# KiCad board CamTracker.kicad_pcb (continued)
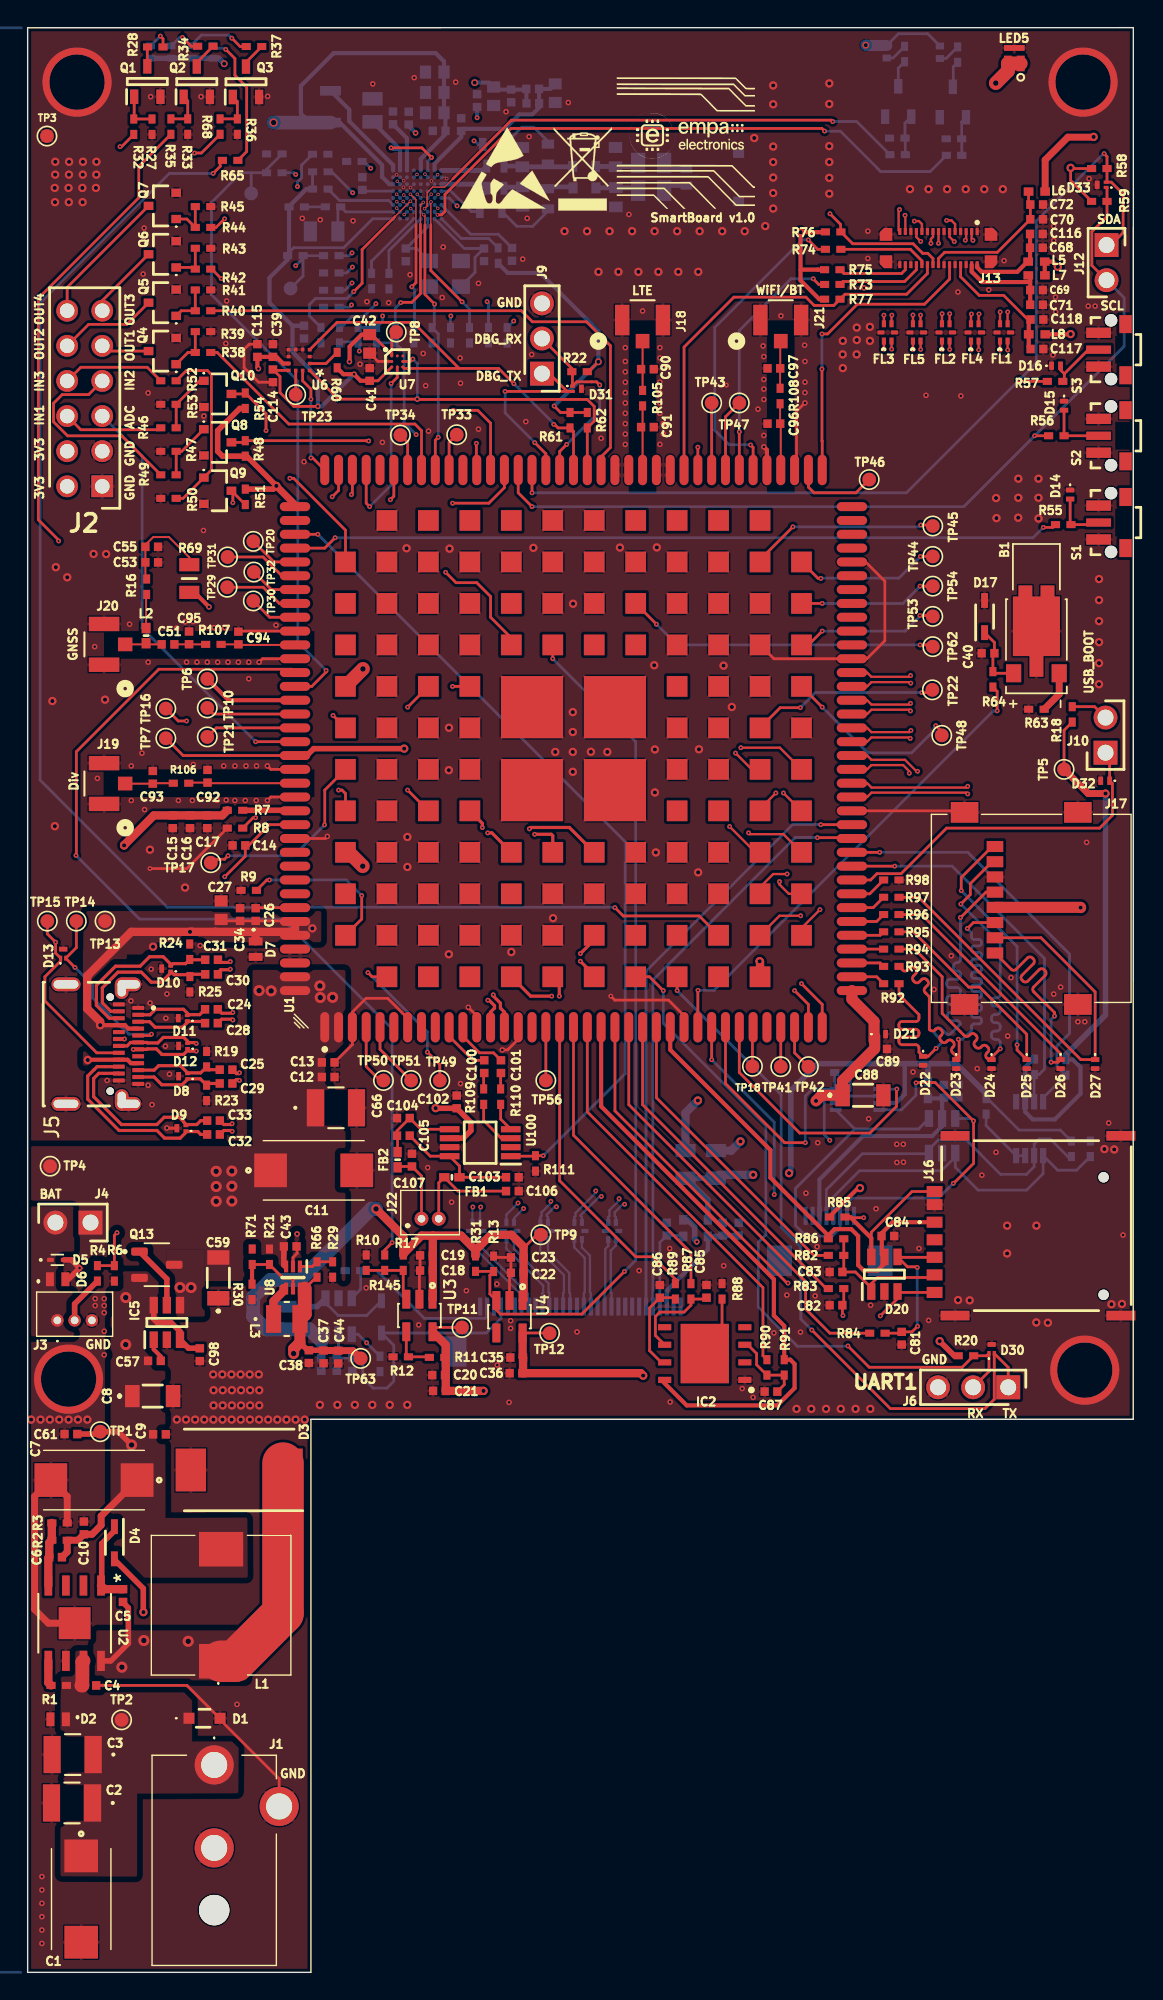
[diagram p0: board, top side]
## Routing (per net, layer and track width the routed paths; a pad name or vN(x,y) marks a point on that pad's centre or on a via; arc(x,y) is an arc through that point) (continued)
VBAT: length 172.3
  Top w0.4: C43.1 18.54,51.16 18.65,51.05
  Top w0.6: v2(6.98,81.5) 6.98,81.52 9.13,83.67 C15.1 C16.1 C17.1 14.08,83.67 14.45,84.04
  PWR w0.4: v7(14.22,138.03) 14.22,138.02
  PWR w0.6: 15.38,136.88 14.22,138.03 v7(14.22,138.03)
  PWR w0.8: 7.56,102.48 7.56,102.77 J2.2 J2.4 ; 7.56,102.48 7.56,129.06 17.88,139.38 v7(60.65,139.38) ; 7.56,102.48 3.3,98.23 3.3,85.16 6.96,81.5 v2(6.98,81.5) 6.95,81.5 0.83,75.38 0.83,58.69 4.55,54.97 J4.1
  Bottom w0.2: LED7.2 63.02,140.2 65.13,140.2 LED6.2
  Bottom w0.4: LED1.2 LED2.2 LED3.2 LED4.2 13.83,138.43 v7(14.22,138.03)
  Bottom w0.8: LED7.2 60.73,139.35 60.7,139.38 v7(60.65,139.38)
  vias: v6(11.03,49.53) v6(11.83,49.53) v6(13.64,57.93) v6(13.64,56.83) v6(13.64,55.76) v6(14.78,57.95) v6(14.78,56.85) v6(14.78,55.78) v6(16.75,71) v6(17.62,70.98) v6(21.15,71.34) v6(21.17,70.5) v6(22.07,70.51)
VCC_GNSS: length 7.1
  Top w0.143: R69.2 11.7,102.33 10.22,103.8 9.09,103.8 8.52,103.23 C55.1 C53.1 8.52,100.86 R16.2
VDD_2V8: length 85.9
  Top w0.2: U1.129 11.25,88 TP7.1
  Top w0.3: L7.2 73.6,122.74 L5.2 74.17,123.72 v2(74.55,123.34)
  Top w0.4: v2(27.25,88.5) 20.7,88.5 20.2,88 U1.129
  PWR w0.4: v2(27.25,88.5) 33.76,88.5 52.36,107.1 65.22,107.1 73.36,115.24 73.36,122.15 v2(74.55,123.34)
/Antennas/ANT_DRX: length 7.7
  Top w0.143: R106.2 11.7,86.04 C92.1 13.06,86 U1.131
/Antennas/ANT_DRX_C: length 3.5
  Top w0.143: R106.1 9.09,86 C93.1 7.07,85.97 J19.1
/Antennas/ANT_GNSS: length 5.6
  Top w0.143: 13.75,96.04 C94.1 15.29,96 U1.121
/Antennas/ANT_GNSS_C0: length 2
  Top w0.143: C51.1 12.63,96.04
/Antennas/ANT_GNSS_C1: length 2.7
  Top w0.143: 7.07,96.03 J20.1 C51.2 ; 9.88,96.04 9.84,96
/Antennas/ANT_MAIN: length 5.1
  Top w0.143: R105.2 44.5,111.86 C91.1 44.5,111.64 U1.87
  Top w0.165: 44.5,111.71 44.54,111.75 ; 44.54,113.18 44.65,113.29 ; 44.39,108.76 U1.87
/Antennas/ANT_MAIN_C: length 3.9
  Top w0.143: J18.1 44.5,116.05 C90.1 44.5,115.83 R105.1
  Top w0.165: 44.5,115.9 44.54,115.94 ; 44.39,117.86 J18.1 44.54,117.93
/Antennas/ANT_WiFi: length 4.8
  Top w0.143: U1.77 54.5,111.96 C96.1 54.46,112.09 54.45,112.1 R108.2
/Antennas/ANT_WiFi_C0: length 3.6
  Top w0.143: 54.38,114.39 54.49,114.5 54.48,114.51 ; J21.1 54.46,117.93 C97.1 54.45,115.99 R108.1
/Camera/CAM0_I2C_SCL: length 32
  Top w0.2: J13.22 65.51,123.95 65.14,124.32 64.77,124.32 64.08,125.01 59.71,125.01 R76.1 58.83,125.89 58.83,126.41 v3(58.06,127.18) ; v3(48.5,110.3) U1.83
  Signal w0.2: v3(48.5,110.3) 48.49,110.31 48.49,116.01 58.06,125.58 v3(58.06,127.18)
/Camera/CAM0_I2C_SDA: length 29.8
  Top w0.2: U1.84 47.5,117.54 51.11,121.15 56.32,121.15 56.92,120.55 58.33,120.55 R77.1 59.14,121.36 63.61,121.36 65.11,122.86 J13.21
/Camera/CLK_N: length 7.8
  Top w0.17: v3(70.38,120.08) 70.37,120.07 70.37,119.22 ; J13.3 67.91,125.33 v3(67.85,125.27)
  Signal w0.17: v3(70.38,120.08) 70.47,120.17 70.47,121.45 67.94,123.98 67.94,125.19 v3(67.85,125.27)
/Camera/CLK_P: length 7.9
  Top w0.17: v3(70.93,120.08) 70.91,120.07 FL1.3 ; v3(68.4,125.26) 68.4,125.29 68.31,125.38 J13.2
  Signal w0.17: v3(68.4,125.26) 68.38,125.26 68.31,125.19 68.31,124.13 70.84,121.61 70.84,120.17 v3(70.93,120.08)
/Camera/CSI0_CLK_N: length 52.2
  Top w0.17: v3(70.38,117.33) 70.37,117.34 70.37,117.97 ; v3(57.34,76.85) 56,75.52 U1.157
  Signal w0.17: v3(70.38,117.33) 70.46,117.24 70.46,117.14 70.47,117.14 70.47,114.34 arc(70.39,114.17) 70.23,114.1 69.98,114.1 arc(69.81,114.03) 69.74,113.86 69.74,113.74 arc(69.81,113.57) 69.98,113.5 70.23,113.5 arc(70.39,113.43) 70.47,113.26 70.47,112.12 arc(70.3,112.05) 70.13,112.12 69.95,112.3 arc(69.78,112.37) 69.61,112.3 69.52,112.21 arc(69.45,112.04) 69.52,111.87 69.7,111.7 arc(69.77,111.53) 69.7,111.36 69.62,111.27 arc(69.45,111.2) 69.28,111.27 69.1,111.45 arc(68.93,111.52) 68.76,111.45 68.68,111.36 arc(68.61,111.19) 68.68,111.02 68.85,110.85 arc(68.92,110.68) 68.85,110.51 68.49,110.14 59.07,100.72 59.07,78.46 57.46,76.85 v3(57.34,76.85)
/Camera/CSI0_CLK_P: length 52.6
  Top w0.17: 70.91,117.97 70.91,117.34 v3(70.93,117.33) ; v3(55.94,76.41) 54.41,76.41 U1.196 ; 53,74.84 53.26,74.58
  Signal w0.17: v3(55.94,76.41) 55.96,76.39 57.53,76.39 59.44,78.3 59.44,100.57 70.84,111.97 70.84,117.24 v3(70.93,117.33)
/Camera/CSI0_LN0_N: length 53.1
  Top w0.17: U1.158 55.08,78 54.41,78.68 v3(54.41,78.88) ; v3(66.17,117.37) 66.17,117.38 66.17,117.97
  Signal w0.17: v3(54.41,78.88) 54.41,81.88 52.55,83.74 52.55,100.18 59.15,106.78 59.29,106.92 arc(59.35,107.07) 59.29,107.22 59.13,107.38 arc(58.96,107.8) 59.13,108.21 59.27,108.35 arc(59.69,108.52) 60.1,108.35 60.26,108.19 arc(60.41,108.13) 60.56,108.19 60.7,108.33 arc(60.77,108.49) 60.7,108.64 60.55,108.8 arc(60.37,109.21) 60.55,109.63 60.69,109.77 arc(61.1,109.94) 61.51,109.77 61.67,109.61 arc(61.83,109.54) 61.98,109.61 62.12,109.75 arc(62.18,109.9) 62.12,110.05 61.96,110.21 arc(61.79,110.63) 61.96,111.04 62.1,111.18 arc(62.51,111.35) 62.93,111.18 63.09,111.02 arc(63.24,110.96) 63.39,111.02 63.53,111.16 arc(63.6,111.31) 63.53,111.47 63.37,111.63 arc(63.2,112.04) 63.37,112.45 63.51,112.59 arc(63.93,112.77) 64.34,112.59 64.5,112.44 arc(64.65,112.37) 64.81,112.44 66.27,113.9 66.27,117.28 v3(66.17,117.37)
/Camera/CSI0_LN0_P: length 53.4
  Top w0.17: 66.72,117.97 66.72,117.38 v3(66.72,117.37) ; v3(54.95,79.43) 53.95,79.43 53,78.48 U1.197
  Signal w0.17: v3(54.95,79.43) 54.77,79.61 54.77,82.04 52.92,83.9 52.92,100.02 58.55,105.65 59.55,106.66 arc(59.72,107.07) 59.55,107.49 59.39,107.65 arc(59.33,107.8) 59.39,107.95 59.53,108.09 arc(59.69,108.15) 59.84,108.09 60,107.93 arc(60.41,107.76) 60.83,107.93 60.97,108.07 arc(61.14,108.49) 60.97,108.9 60.81,109.06 arc(60.74,109.21) 60.81,109.36 60.95,109.5 arc(61.1,109.57) 61.25,109.5 61.41,109.35 arc(61.83,109.17) 62.24,109.35 62.38,109.49 arc(62.55,109.9) 62.38,110.31 62.22,110.47 arc(62.16,110.63) 62.22,110.78 62.36,110.92 arc(62.51,110.98) 62.67,110.92 62.83,110.76 arc(63.24,110.59) 63.65,110.76 63.79,110.9 arc(63.97,111.31) 63.79,111.73 63.64,111.89 arc(63.57,112.04) 63.64,112.19 63.78,112.33 arc(63.93,112.4) 64.08,112.33 64.24,112.17 arc(64.65,112) 65.07,112.17 66.64,113.74 66.64,117.28 v3(66.72,117.37)
/Camera/CSI0_LN1_N: length 49.9
  Top w0.17: v3(61.97,117.39) 61.97,117.4 61.97,117.97 ; v3(52.17,82.41) 52.26,82.31 54.69,82.31 U1.159
  Signal w0.17: v3(52.17,82.41) 50.35,82.41 46.48,86.28 46.48,101.46 62.07,117.05 62.07,117.3 v3(61.97,117.39)
/Camera/CSI0_LN1_P: length 50.7
  Top w0.17: 62.52,117.97 62.52,117.4 v3(62.53,117.39) ; v3(50.8,82.86) 50.8,82.86 52.66,81 U1.198
  Signal w0.17: v3(50.8,82.86) 50.71,82.77 50.51,82.77 46.84,86.44 46.84,101.3 58.87,113.33 59.13,113.58 arc(59.3,113.65) 59.46,113.58 59.64,113.41 arc(59.81,113.34) 59.98,113.41 60.07,113.49 arc(60.14,113.66) 60.07,113.83 59.89,114.01 arc(59.82,114.18) 59.89,114.35 59.97,114.43 arc(60.14,114.5) 60.31,114.43 60.49,114.26 arc(60.66,114.19) 60.83,114.26 60.91,114.34 arc(60.98,114.51) 60.91,114.68 60.74,114.86 arc(60.67,115.03) 60.74,115.2 60.82,115.28 arc(60.99,115.35) 61.16,115.28 61.34,115.1 arc(61.51,115.03) 61.68,115.1 61.76,115.19 arc(61.83,115.36) 61.76,115.53 61.59,115.71 arc(61.52,115.88) 61.59,116.04 61.67,116.13 arc(61.84,116.2) 62.01,116.13 62.19,115.95 arc(62.36,115.88) 62.53,115.95 62.61,116.04 arc(62.68,116.21) 62.61,116.38 62.43,116.55 arc(62.36,116.72) 62.43,116.89 62.43,117.3 v3(62.53,117.39)
/Camera/CSI0_LN2_N: length 52.5
  Top w0.17: U1.160 55.98,84 v3(54.69,85.29) ; 68.81,117.97 68.81,117.35 v3(68.82,117.34)
  Signal w0.17: v3(68.82,117.34) 68.73,117.25 68.73,116.92 arc(68.81,116.75) 68.97,116.68 69.39,116.68 arc(69.56,116.61) 69.63,116.44 69.63,116.32 arc(69.56,116.15) 69.39,116.08 68.97,116.08 arc(68.81,116.01) 68.73,115.84 68.73,115.72 arc(68.81,115.55) 68.97,115.48 69.39,115.48 arc(69.56,115.41) 69.63,115.24 69.63,115.12 arc(69.56,114.95) 69.39,114.88 68.97,114.88 arc(68.81,114.81) 68.73,114.64 68.73,113.37 66.72,111.36 arc(66.65,111.2) 66.72,111.05 66.94,110.83 arc(67.11,110.41) 66.94,110 66.8,109.86 arc(66.38,109.69) 65.97,109.86 65.75,110.08 arc(65.6,110.15) 65.44,110.08 65.3,109.94 arc(65.24,109.79) 65.3,109.64 65.52,109.41 arc(65.7,109) 65.52,108.59 65.38,108.45 arc(64.97,108.27) 64.56,108.45 64.33,108.67 arc(64.18,108.73) 64.03,108.67 63.89,108.53 arc(63.83,108.37) 63.89,108.22 64.11,108 arc(64.28,107.59) 64.11,107.17 63.97,107.03 arc(63.56,106.86) 63.14,107.03 62.92,107.25 arc(62.77,107.32) 62.62,107.25 62.47,107.11 arc(62.41,106.96) 62.47,106.81 62.7,106.59 arc(62.87,106.17) 62.7,105.76 62.56,105.62 arc(62.14,105.45) 61.73,105.62 61.51,105.84 arc(61.35,105.9) 61.2,105.84 61.06,105.7 arc(61,105.55) 61.06,105.39 61.28,105.17 arc(61.45,104.76) 61.28,104.34 61.14,104.2 arc(60.73,104.03) 60.31,104.2 60.09,104.43 arc(59.94,104.49) 59.79,104.43 59.65,104.28 arc(59.58,104.13) 59.65,103.98 59.87,103.76 arc(60.04,103.34) 59.87,102.93 59.73,102.79 arc(59.31,102.62) 58.9,102.79 58.68,103.01 arc(58.52,103.07) 58.37,103.01 54.6,99.24 54.6,85.38 v3(54.69,85.29)
/Camera/CSI0_LN2_P: length 49.6
  Top w0.17: v3(68.28,117.34) 68.26,117.35 68.26,117.97 ; U1.199 53,84.14 v3(54.14,85.29)
  Signal w0.17: v3(54.14,85.29) 54.24,85.38 54.24,99.4 57.97,103.13 58.11,103.27 arc(58.52,103.44) 58.94,103.27 59.16,103.05 arc(59.31,102.99) 59.47,103.05 59.61,103.19 arc(59.67,103.34) 59.61,103.5 59.38,103.72 arc(59.21,104.13) 59.38,104.55 59.53,104.69 arc(59.94,104.86) 60.35,104.69 60.58,104.46 arc(60.73,104.4) 60.88,104.46 61.02,104.61 arc(61.08,104.76) 61.02,104.91 60.8,105.13 arc(60.63,105.55) 60.8,105.96 60.94,106.1 arc(61.35,106.27) 61.77,106.1 61.99,105.88 arc(62.14,105.82) 62.29,105.88 62.44,106.02 arc(62.5,106.17) 62.44,106.32 62.21,106.55 arc(62.04,106.96) 62.21,107.37 62.35,107.52 arc(62.77,107.69) 63.18,107.52 63.4,107.29 arc(63.56,107.23) 63.71,107.29 63.85,107.43 arc(63.91,107.59) 63.85,107.74 63.63,107.96 arc(63.46,108.37) 63.63,108.79 63.77,108.93 arc(64.18,109.1) 64.6,108.93 64.82,108.71 arc(64.97,108.64) 65.12,108.71 65.26,108.85 arc(65.33,109) 65.26,109.15 65.04,109.38 arc(64.87,109.79) 65.04,110.2 65.18,110.34 arc(65.6,110.52) 66.01,110.34 66.23,110.12 arc(66.38,110.06) 66.54,110.12 66.68,110.26 arc(66.74,110.41) 66.68,110.57 66.46,110.79 arc(66.28,111.2) 66.46,111.62 68.37,113.53 68.37,117.25 v3(68.28,117.34)
/Camera/CSI0_LN3_N: length 53.6
  Top w0.17: U1.161 54.44,88.56 v3(51.61,88.56) ; v3(64.62,117.37) 64.61,117.38 64.61,117.97
  Signal w0.17: v3(64.62,117.37) 64.53,117.28 64.53,116.13 53.29,104.89 arc(53.22,104.73) 53.29,104.58 53.53,104.34 arc(53.7,103.92) 53.53,103.51 53.39,103.37 arc(52.98,103.2) 52.56,103.37 52.32,103.61 arc(52.17,103.68) 52.01,103.61 51.87,103.47 arc(51.81,103.32) 51.87,103.17 52.12,102.92 arc(52.29,102.51) 52.12,102.1 51.98,101.96 arc(51.56,101.78) 51.15,101.96 50.9,102.2 arc(50.75,102.26) 50.6,102.2 50.46,102.06 arc(50.4,101.91) 50.46,101.75 50.7,101.51 arc(50.87,101.1) 50.7,100.68 50.56,100.54 arc(50.15,100.37) 49.73,100.54 49.49,100.78 arc(49.34,100.85) 49.19,100.78 48.64,100.24 arc(48.71,100.09) 48.86,100.03 49.2,100.03 arc(49.62,99.86) 49.79,99.44 49.79,99.24 arc(49.62,98.83) 49.2,98.66 48.86,98.66 arc(48.71,98.6) 48.64,98.44 48.64,98.24 arc(48.71,98.09) 48.86,98.03 49.2,98.03 arc(49.62,97.86) 49.79,97.44 49.79,97.24 arc(49.62,96.83) 49.2,96.66 48.86,96.66 arc(48.71,96.6) 48.64,96.44 48.64,96.24 arc(48.71,96.09) 48.86,96.03 49.2,96.03 arc(49.62,95.86) 49.79,95.44 49.79,95.24 arc(49.62,94.83) 49.2,94.66 48.86,94.66 arc(48.71,94.6) 48.64,94.44 48.64,94.24 arc(48.71,94.09) 48.86,94.03 49.2,94.03 arc(49.62,93.86) 49.79,93.44 49.79,93.24 arc(49.62,92.83) 49.2,92.66 48.86,92.66 arc(48.71,92.6) 48.64,92.44 48.64,91.41 51.49,88.56 v3(51.61,88.56)
/Camera/CSI0_LN3_P: length 51.1
  Top w0.17: v3(64.08,117.37) 64.06,117.38 64.06,117.97 ; U1.200 52.4,87 v3(51.23,88.18)
  Signal w0.17: v3(64.08,117.37) 64.17,117.28 64.17,116.29 53.03,105.15 arc(52.85,104.73) 53.03,104.32 53.27,104.08 arc(53.33,103.92) 53.27,103.77 53.13,103.63 arc(52.98,103.57) 52.82,103.63 52.58,103.87 arc(52.17,104.05) 51.75,103.87 51.61,103.73 arc(51.44,103.32) 51.61,102.91 51.86,102.66 arc(51.92,102.51) 51.86,102.36 51.71,102.22 arc(51.56,102.15) 51.41,102.22 51.17,102.46 arc(50.75,102.63) 50.34,102.46 50.2,102.32 arc(50.03,101.91) 50.2,101.49 50.44,101.25 arc(50.5,101.1) 50.44,100.94 50.3,100.8 arc(50.15,100.74) 50,100.8 49.75,101.05 arc(49.34,101.22) 48.92,101.05 48.28,100.4 48.28,100.24 arc(48.45,99.83) 48.86,99.66 49.2,99.66 arc(49.36,99.6) 49.42,99.44 49.42,99.24 arc(49.36,99.09) 49.2,99.03 48.86,99.03 arc(48.45,98.86) 48.28,98.44 48.28,98.24 arc(48.45,97.83) 48.86,97.66 49.2,97.66 arc(49.36,97.6) 49.42,97.44 49.42,97.24 arc(49.36,97.09) 49.2,97.03 48.86,97.03 arc(48.45,96.86) 48.28,96.44 48.28,96.24 arc(48.45,95.83) 48.86,95.66 49.2,95.66 arc(49.36,95.6) 49.42,95.44 49.42,95.24 arc(49.36,95.09) 49.2,95.03 48.86,95.03 arc(48.45,94.86) 48.28,94.44 48.28,94.24 arc(48.45,93.83) 48.86,93.66 49.2,93.66 arc(49.36,93.6) 49.42,93.44 49.42,93.24 arc(49.36,93.09) 49.2,93.03 48.86,93.03 arc(48.45,92.86) 48.28,92.44 48.28,91.25 51.23,88.3 v3(51.23,88.18)
/Camera/MD0_N: length 7.2
  Top w0.17: v3(65.36,125.04) 65.36,125.35 65.51,125.5 J13.9 ; FL2.4 66.17,119.94 v3(66.17,119.95)
  Signal w0.17: v3(66.17,119.95) 66.27,120.04 66.27,121.45 65.46,122.26 65.46,124.95 v3(65.36,125.04)
/Camera/MD0_P: length 7.3
  Top w0.17: v3(65.92,125.04) 65.91,125.04 J13.8 ; FL2.3 66.72,119.94 v3(66.72,119.95)
  Signal w0.17: v3(66.72,119.95) 66.63,120.04 66.63,120.15 arc(66.66,120.21) 66.72,120.24 arc(66.79,120.26) 66.81,120.33 66.81,120.75 arc(66.79,120.81) 66.72,120.84 arc(66.66,120.86) 66.63,120.93 66.63,121.61 65.82,122.42 65.82,124.95 v3(65.92,125.04)
/Camera/MD1_N: length 10.7
  Top w0.17: J13.15 63.03,125.99 63.03,127.42 v3(63.09,127.49) ; v3(61.97,119.85) FL3.4
  Signal w0.17: v3(63.09,127.49) 63,127.4 62.53,127.4 62.06,126.93 62.06,121.42 62.06,121.42 62.06,121.41 62.06,119.95 61.99,119.88 61.99,119.87 v3(61.97,119.85)
/Camera/MD1_P: length 10
  Top w0.17: v3(63.49,127.07) 63.51,127.05 J13.14 ; v3(62.54,119.85) 62.52,119.83 FL3.3
  Signal w0.17: v3(62.54,119.85) 62.43,119.95 62.43,126.77 62.69,127.03 63.45,127.03 v3(63.49,127.07)
/Camera/MD2_N: length 7.6
  Top w0.17: v3(67.06,125.17) 66.71,125.51 J13.6 ; v3(68.84,119.93) 68.81,119.9 FL4.3
  Signal w0.17: v3(68.84,119.93) 68.75,120.02 68.75,121.61 66.96,123.4 66.96,125.08 v3(67.06,125.17)
/Camera/MD2_P: length 9.6
  Top w0.17: v3(66.5,126.7) 66.85,126.7 67.11,126.44 J13.5 ; FL4.4 68.26,119.9 v3(68.29,119.93)
  Signal w0.17: v3(66.5,126.7) 66.6,126.61 66.6,123.24 68.39,121.45 68.39,120.02 v3(68.29,119.93)
/Camera/MD3_N: length 6.9
  Top w0.17: v3(64.62,125.18) 64.31,125.5 J13.12 ; v3(64.61,119.85) FL5.3
  Signal w0.17: v3(64.62,125.18) 64.53,125.09 64.53,120.05 64.61,119.97 v3(64.61,119.85)
/Camera/MD3_P: length 9.7
  Top w0.17: v3(64.06,119.86) FL5.4 ; J13.11 64.71,126.44 64.5,126.65 v3(64.17,126.65)
  Signal w0.17: v3(64.17,126.65) 64.17,122.7 arc(64.1,122.53) 63.93,122.46 arc(63.76,122.39) 63.7,122.23 63.7,122.1 arc(63.76,121.93) 63.93,121.86 arc(64.1,121.79) 64.17,121.63 64.17,121.5 arc(64.1,121.33) 63.93,121.26 arc(63.76,121.19) 63.7,121.03 63.7,120.9 arc(63.76,120.73) 63.93,120.66 arc(64.1,120.59) 64.17,120.43 64.17,120.05 64.06,119.95 v3(64.06,119.86)
/Display/CLK_N: length 5.6
  Bottom w0.165: FL6.4 37.1,52.13 38.81,50.42 38.81,49.18 38.75,49.13 J14.13
/Display/CLK_P: length 5.5
  Bottom w0.165: J14.14 39.25,49.13 39.19,49.18 39.19,50.58 37.65,52.12 FL6.3
/Display/CTP_INT: length 21.1
  Bottom w0.2: 59.86,60.99 64.47,60.99 D19.4 ; 59.86,60.99 IC4.1 ; 59.86,60.99 55.57,56.7 55.57,54 56.33,53.24 58.21,53.24 58.8,53.83 J15.6
/Display/CTP_RST: length 25
  Top w0.2: v3(66.98,57.06) 67.06,57.14 67.09,57.14 68.45,58.5 v3(68.45,61.58) 65.67,64.35 64.31,64.35 v3(64.29,64.33)
  Bottom w0.2: J15.7 59.3,55.62 59.67,55.99 65.91,55.99 v3(66.98,57.06) ; IC4.8 63.22,62.38 64.28,63.43 64.28,64.32 v3(64.29,64.33) ; v3(68.45,61.58) 68.28,61.75 D19.6
/Display/CTP_SCL: length 24.8
  Bottom w0.2: J15.4 57.8,56.6 60.4,59.2 65.17,59.2 D19.3 65.22,59.53 65.9,60.2 67.92,60.2 70.41,57.71 72.28,57.71 72.84,58.27 72.84,59.91 73.2,60.27 74,60.27 75.27,59 R152.2
/Display/CTP_SDA: length 25.8
  Bottom w0.2: J15.5 58.3,56.07 60.2,57.97 66.12,57.97 67.12,58.97 D19.1 67.12,58.22 68.78,56.57 72.29,56.57 73.49,57.77 IC3.5 74.53,58.01 75.91,58.01 R151.2
/Display/CTP_VDD: length 17.4
  Bottom w0.2: 66.32,63.28 C79.2
  Bottom w0.3: C80.2 66.32,63.28 ; J15.3 57.3,57.34 60.44,60.48 65.45,60.48 66.17,61.2 D19.5 66.17,63.14 C79.2 66.24,63.2 L12.2
/Display/D0_N: length 6.4
  Bottom w0.165: FL10.4 32.19,52.54 35.81,48.92 35.81,48.71 35.75,48.65 J14.7
/Display/D0_P: length 6.3
  Bottom w0.165: FL10.3 32.73,52.54 36.19,49.08 36.19,48.71 36.25,48.65 J14.8
/Display/D1_N: length 6
  Bottom w0.165: FL9.4 34.64,52.33 37.31,49.67 37.31,49.18 37.25,49.13 J14.10
/Display/D1_P: length 5.9
  Bottom w0.165: FL9.3 35.19,52.33 37.69,49.83 37.69,49.18 37.75,49.13 J14.11
/Display/D2_N: length 5.2
  Bottom w0.165: FL8.4 39.56,52.42 40.31,51.67 40.31,49.18 40.25,49.13 J14.16
/Display/D2_P: length 5.1
  Bottom w0.165: FL8.3 40.11,52.41 40.69,51.83 40.69,49.18 40.75,49.13 J14.17
/Display/D3_N: length 5
  Bottom w0.165: J14.19 41.75,49.13 41.81,49.18 41.81,52.32 42.02,52.54 FL7.4
/Display/D3_P: length 5
  Bottom w0.165: J14.20 42.25,49.13 42.19,49.18 42.19,52.19 42.57,52.57 FL7.3
/Display/DSI_CLK_N: length 71
  Top w0.17: U1.52 60.75,85 61.07,85.32 67.94,85.32 v3(68.03,85.22)
  Signal w0.17: v3(37.86,55.76) 37.99,55.76 38.14,55.91 arc(38.17,56) 38.14,56.09 arc(38.1,56.17) 38.14,56.26 38.38,56.51 arc(38.47,56.55) 38.56,56.51 arc(38.65,56.47) 38.74,56.51 39.7,57.48 46.86,64.63 49.74,64.63 arc(49.88,64.69) 49.95,64.84 49.95,65.05 arc(50.12,65.47) 50.54,65.65 50.74,65.65 arc(51.16,65.47) 51.33,65.05 51.33,63.83 arc(51.39,63.68) 51.54,63.62 51.74,63.62 arc(51.88,63.68) 51.95,63.83 51.95,65.05 arc(52.12,65.47) 52.54,65.65 52.74,65.65 arc(53.16,65.47) 53.33,65.05 53.33,63.83 arc(53.39,63.68) 53.54,63.62 53.74,63.62 arc(53.88,63.68) 53.95,63.83 53.95,65.05 arc(54.12,65.47) 54.54,65.65 54.74,65.65 arc(55.16,65.47) 55.33,65.05 55.33,63.83 arc(55.39,63.68) 55.54,63.62 55.74,63.62 arc(55.88,63.68) 55.95,63.83 55.95,64.04 arc(56.12,64.46) 56.54,64.63 59.86,64.63 60.42,65.19 68.81,73.58 68.81,84.88 68.37,85.32 68.12,85.32 v3(68.03,85.22)
  Bottom w0.165: v3(37.86,55.76) 37.86,55.63 37.18,54.96 37.18,54.7 37.1,54.61 FL6.1
/Display/DSI_CLK_P: length 71.4
  Top w0.17: v3(68.03,85.78) 67.94,85.68 61.07,85.68 60.75,86 U1.53
  Signal w0.17: v3(68.03,85.78) 68.12,85.68 68.53,85.68 69.19,85.02 69.19,73.42 60.02,64.25 56.54,64.25 arc(56.39,64.19) 56.33,64.04 56.33,63.83 arc(56.16,63.41) 55.74,63.24 55.54,63.24 arc(55.12,63.41) 54.95,63.83 54.95,65.05 arc(54.88,65.2) 54.74,65.26 54.54,65.26 arc(54.39,65.2) 54.33,65.05 54.33,63.83 arc(54.16,63.41) 53.74,63.24 53.54,63.24 arc(53.12,63.41) 52.95,63.83 52.95,65.05 arc(52.88,65.2) 52.74,65.26 52.54,65.26 arc(52.39,65.2) 52.33,65.05 52.33,63.83 arc(52.16,63.41) 51.74,63.24 51.54,63.24 arc(51.12,63.41) 50.95,63.83 50.95,65.05 arc(50.88,65.2) 50.74,65.26 50.54,65.26 arc(50.39,65.2) 50.33,65.05 50.33,64.84 arc(50.16,64.42) 49.74,64.25 47.02,64.25 38.26,55.49 v3(38.26,55.36)
  Bottom w0.165: FL6.2 37.65,54.61 37.57,54.7 37.57,54.8 38.13,55.36 v3(38.26,55.36)
/Display/DSI_LN0_N: length 71.5
  Top w0.165: v3(63.8,86.72) 63.8,86.86 63.35,87.31 61.06,87.31 60.75,87 U1.54
  Signal w0.17: v3(32.22,55.35) 32.32,55.45 32.32,56.2 32.42,56.31 arc(32.49,56.45) 32.42,56.6 arc(32.36,56.75) 32.42,56.9 32.55,57.03 arc(32.7,57.09) 32.85,57.03 arc(33,56.97) 33.15,57.03 33.9,57.78 45.67,69.55 56.78,69.55 57.66,70.44 arc(58.08,70.61) 58.5,70.44 58.78,70.16 arc(58.93,70.1) 59.07,70.16 59.21,70.3 arc(59.27,70.45) 59.21,70.59 58.09,71.71 arc(57.92,72.13) 58.09,72.55 58.23,72.69 arc(58.65,72.87) 59.07,72.69 60.19,71.57 arc(60.34,71.51) 60.49,71.57 60.63,71.71 arc(60.69,71.86) 60.63,72.01 59.51,73.13 arc(59.33,73.55) 59.51,73.97 59.65,74.11 arc(60.07,74.28) 60.49,74.11 61.61,72.99 arc(61.75,72.93) 61.9,72.99 62.04,73.13 arc(62.1,73.28) 62.04,73.42 60.92,74.54 arc(60.75,74.96) 60.92,75.38 61.06,75.52 arc(61.48,75.7) 61.9,75.52 63.02,74.4 arc(63.17,74.34) 63.32,74.4 63.46,74.54 arc(63.52,74.69) 63.46,74.84 63.18,75.11 arc(63.01,75.53) 63.18,75.95 64.26,77.03 64.26,86.26 v3(63.8,86.72)
  Bottom w0.165: FL10.1 32.19,55.32 v3(32.22,55.35)
/Display/DSI_LN0_P: length 71.7
  Top w0.165: v3(64.4,86.86) 64.32,86.86 63.49,87.69 61.06,87.69 60.75,88 U1.55
  Signal w0.17: v3(64.4,86.86) 64.4,86.65 64.63,86.42 64.63,76.86 63.45,75.68 arc(63.39,75.53) 63.45,75.39 63.73,75.11 arc(63.9,74.69) 63.73,74.27 63.59,74.13 arc(63.17,73.96) 62.75,74.13 61.63,75.25 arc(61.48,75.31) 61.34,75.25 61.19,75.11 arc(61.13,74.96) 61.19,74.81 62.31,73.69 arc(62.49,73.28) 62.31,72.86 62.17,72.71 arc(61.75,72.54) 61.34,72.71 60.21,73.84 arc(60.07,73.9) 59.92,73.84 59.78,73.69 arc(59.72,73.55) 59.78,73.4 60.9,72.28 arc(61.07,71.86) 60.9,71.44 60.76,71.3 arc(60.34,71.13) 59.92,71.3 58.8,72.42 arc(58.65,72.48) 58.51,72.42 58.37,72.28 arc(58.3,72.13) 58.37,71.99 59.49,70.87 arc(59.66,70.45) 59.49,70.03 59.35,69.89 arc(58.93,69.71) 58.51,69.89 58.23,70.16 arc(58.08,70.22) 57.94,70.16 56.96,69.19 45.83,69.19 32.68,56.04 32.68,55.45 v3(32.78,55.35)
  Bottom w0.165: v3(32.78,55.35) 32.73,55.3 FL10.2
/Display/DSI_LN1_N: length 72.2
  Top w0.165: v3(63.87,89.24) 63.8,89.31 61.06,89.31 60.75,89 U1.56
  Signal w0.17: v3(35.49,55.64) 35.62,55.64 35.83,55.85 arc(35.9,56.02) 35.83,56.19 35.77,56.24 arc(35.7,56.41) 35.77,56.58 35.85,56.67 arc(36.02,56.74) 36.19,56.67 36.25,56.61 arc(36.42,56.54) 36.59,56.61 38.59,58.61 arc(38.64,58.75) 38.59,58.88 38.27,59.2 arc(38.11,59.6) 38.27,60.01 38.41,60.15 arc(38.82,60.32) 39.23,60.15 39.54,59.83 arc(39.68,59.78) 39.81,59.83 39.95,59.97 arc(40,60.1) 39.95,60.24 39.63,60.55 arc(39.46,60.96) 39.63,61.37 39.77,61.5 arc(40.18,61.67) 40.58,61.5 40.9,61.19 arc(41.03,61.13) 41.17,61.19 41.3,61.33 arc(41.36,61.46) 41.3,61.6 40.99,61.91 arc(40.82,62.32) 40.99,62.73 41.13,62.86 arc(41.53,63.03) 41.94,62.86 42.26,62.55 arc(42.39,62.49) 42.53,62.55 42.66,62.68 arc(42.72,62.82) 42.66,62.95 42.35,63.27 arc(42.18,63.68) 42.35,64.08 42.48,64.22 arc(42.89,64.39) 43.3,64.22 43.61,63.91 arc(43.75,63.85) 43.88,63.91 44.02,64.04 arc(44.08,64.18) 44.02,64.31 43.71,64.63 arc(43.54,65.03) 43.71,65.44 43.84,65.58 arc(44.25,65.75) 44.66,65.58 44.97,65.26 arc(45.11,65.21) 45.24,65.26 45.38,65.4 arc(45.43,65.53) 45.38,65.67 45.06,65.98 arc(44.89,66.39) 45.06,66.8 45.2,66.94 arc(45.61,67.1) 46.01,66.94 46.33,66.62 arc(46.46,66.57) 46.6,66.62 47.17,67.19 58.92,67.19 66.31,74.58 66.31,87.41 64.36,89.36 64.12,89.36 64.11,89.35 63.98,89.35 v3(63.87,89.24)
  Bottom w0.165: FL9.1 34.64,54.8 v3(35.49,55.64)
/Display/DSI_LN1_P: length 72
  Top w0.165: v3(63.92,89.81) 63.8,89.69 61.06,89.69 60.75,90 U1.57
  Signal w0.17: v3(35.89,55.24) 35.89,55.37 38.86,58.34 arc(39.03,58.75) 38.86,59.15 38.55,59.47 arc(38.49,59.6) 38.55,59.74 38.68,59.88 arc(38.82,59.93) 38.95,59.88 39.27,59.56 arc(39.68,59.39) 40.08,59.56 40.22,59.7 arc(40.39,60.1) 40.22,60.51 39.9,60.83 arc(39.85,60.96) 39.9,61.1 40.04,61.23 arc(40.18,61.29) 40.31,61.23 40.63,60.92 arc(41.03,60.75) 41.44,60.92 41.58,61.05 arc(41.75,61.46) 41.58,61.87 41.26,62.18 arc(41.21,62.32) 41.26,62.45 41.4,62.59 arc(41.53,62.65) 41.67,62.59 41.98,62.28 arc(42.39,62.11) 42.8,62.28 42.93,62.41 arc(43.1,62.82) 42.93,63.23 42.62,63.54 arc(42.56,63.68) 42.62,63.81 42.76,63.95 arc(42.89,64) 43.03,63.95 43.34,63.63 arc(43.75,63.46) 44.16,63.63 44.29,63.77 arc(44.46,64.18) 44.29,64.58 43.98,64.9 arc(43.92,65.03) 43.98,65.17 44.11,65.31 arc(44.25,65.36) 44.38,65.31 44.7,64.99 arc(45.11,64.82) 45.51,64.99 45.65,65.13 arc(45.82,65.53) 45.65,65.94 45.34,66.26 arc(45.28,66.39) 45.34,66.53 45.47,66.66 arc(45.61,66.72) 45.74,66.66 46.06,66.35 arc(46.46,66.18) 46.87,66.35 47.33,66.81 59.08,66.81 66.69,74.42 66.69,87.55 64.51,89.73 64,89.73 v3(63.92,89.81)
  Bottom w0.165: FL9.2 35.19,54.54 v3(35.89,55.24)
/Display/DSI_LN2_N: length 72.7
  Top w0.17: v3(63.89,91.22) 63.8,91.32 61.07,91.32 60.75,91 U1.58
  Signal w0.17: v3(41.11,56.51) 41.24,56.51 41.48,56.75 arc(41.5,56.81) 41.48,56.87 arc(41.45,56.93) 41.48,56.99 41.78,57.29 arc(41.84,57.32) 41.9,57.29 arc(41.96,57.27) 42.02,57.29 46.42,61.69 58.92,61.69 71.32,74.09 71.32,75.02 arc(71.45,75.36) 71.79,75.5 arc(71.87,75.53) 71.9,75.61 71.9,76.02 arc(71.87,76.1) 71.79,76.13 71.21,76.13 arc(70.87,76.27) 70.73,76.61 70.73,77.02 arc(70.87,77.36) 71.21,77.5 71.79,77.5 arc(71.87,77.53) 71.9,77.61 71.9,78.02 arc(71.87,78.1) 71.79,78.13 71.21,78.13 arc(70.87,78.27) 70.73,78.61 70.73,79.02 arc(70.87,79.36) 71.21,79.5 71.79,79.5 arc(71.87,79.53) 71.9,79.61 71.9,80.02 arc(71.87,80.1) 71.79,80.13 71.21,80.13 arc(70.87,80.27) 70.73,80.61 70.73,81.02 arc(70.87,81.36) 71.21,81.5 arc(71.28,81.53) 71.32,81.61 71.32,87.39 67.39,91.32 63.98,91.32 v3(63.89,91.22)
  Bottom w0.165: v3(41.11,56.51) 41.11,56.38 39.64,54.92 39.64,54.7 39.56,54.61 FL8.1
